# Altium PCB Einsy_Rambo.PcbDoc (part 1 of 5) (continued)
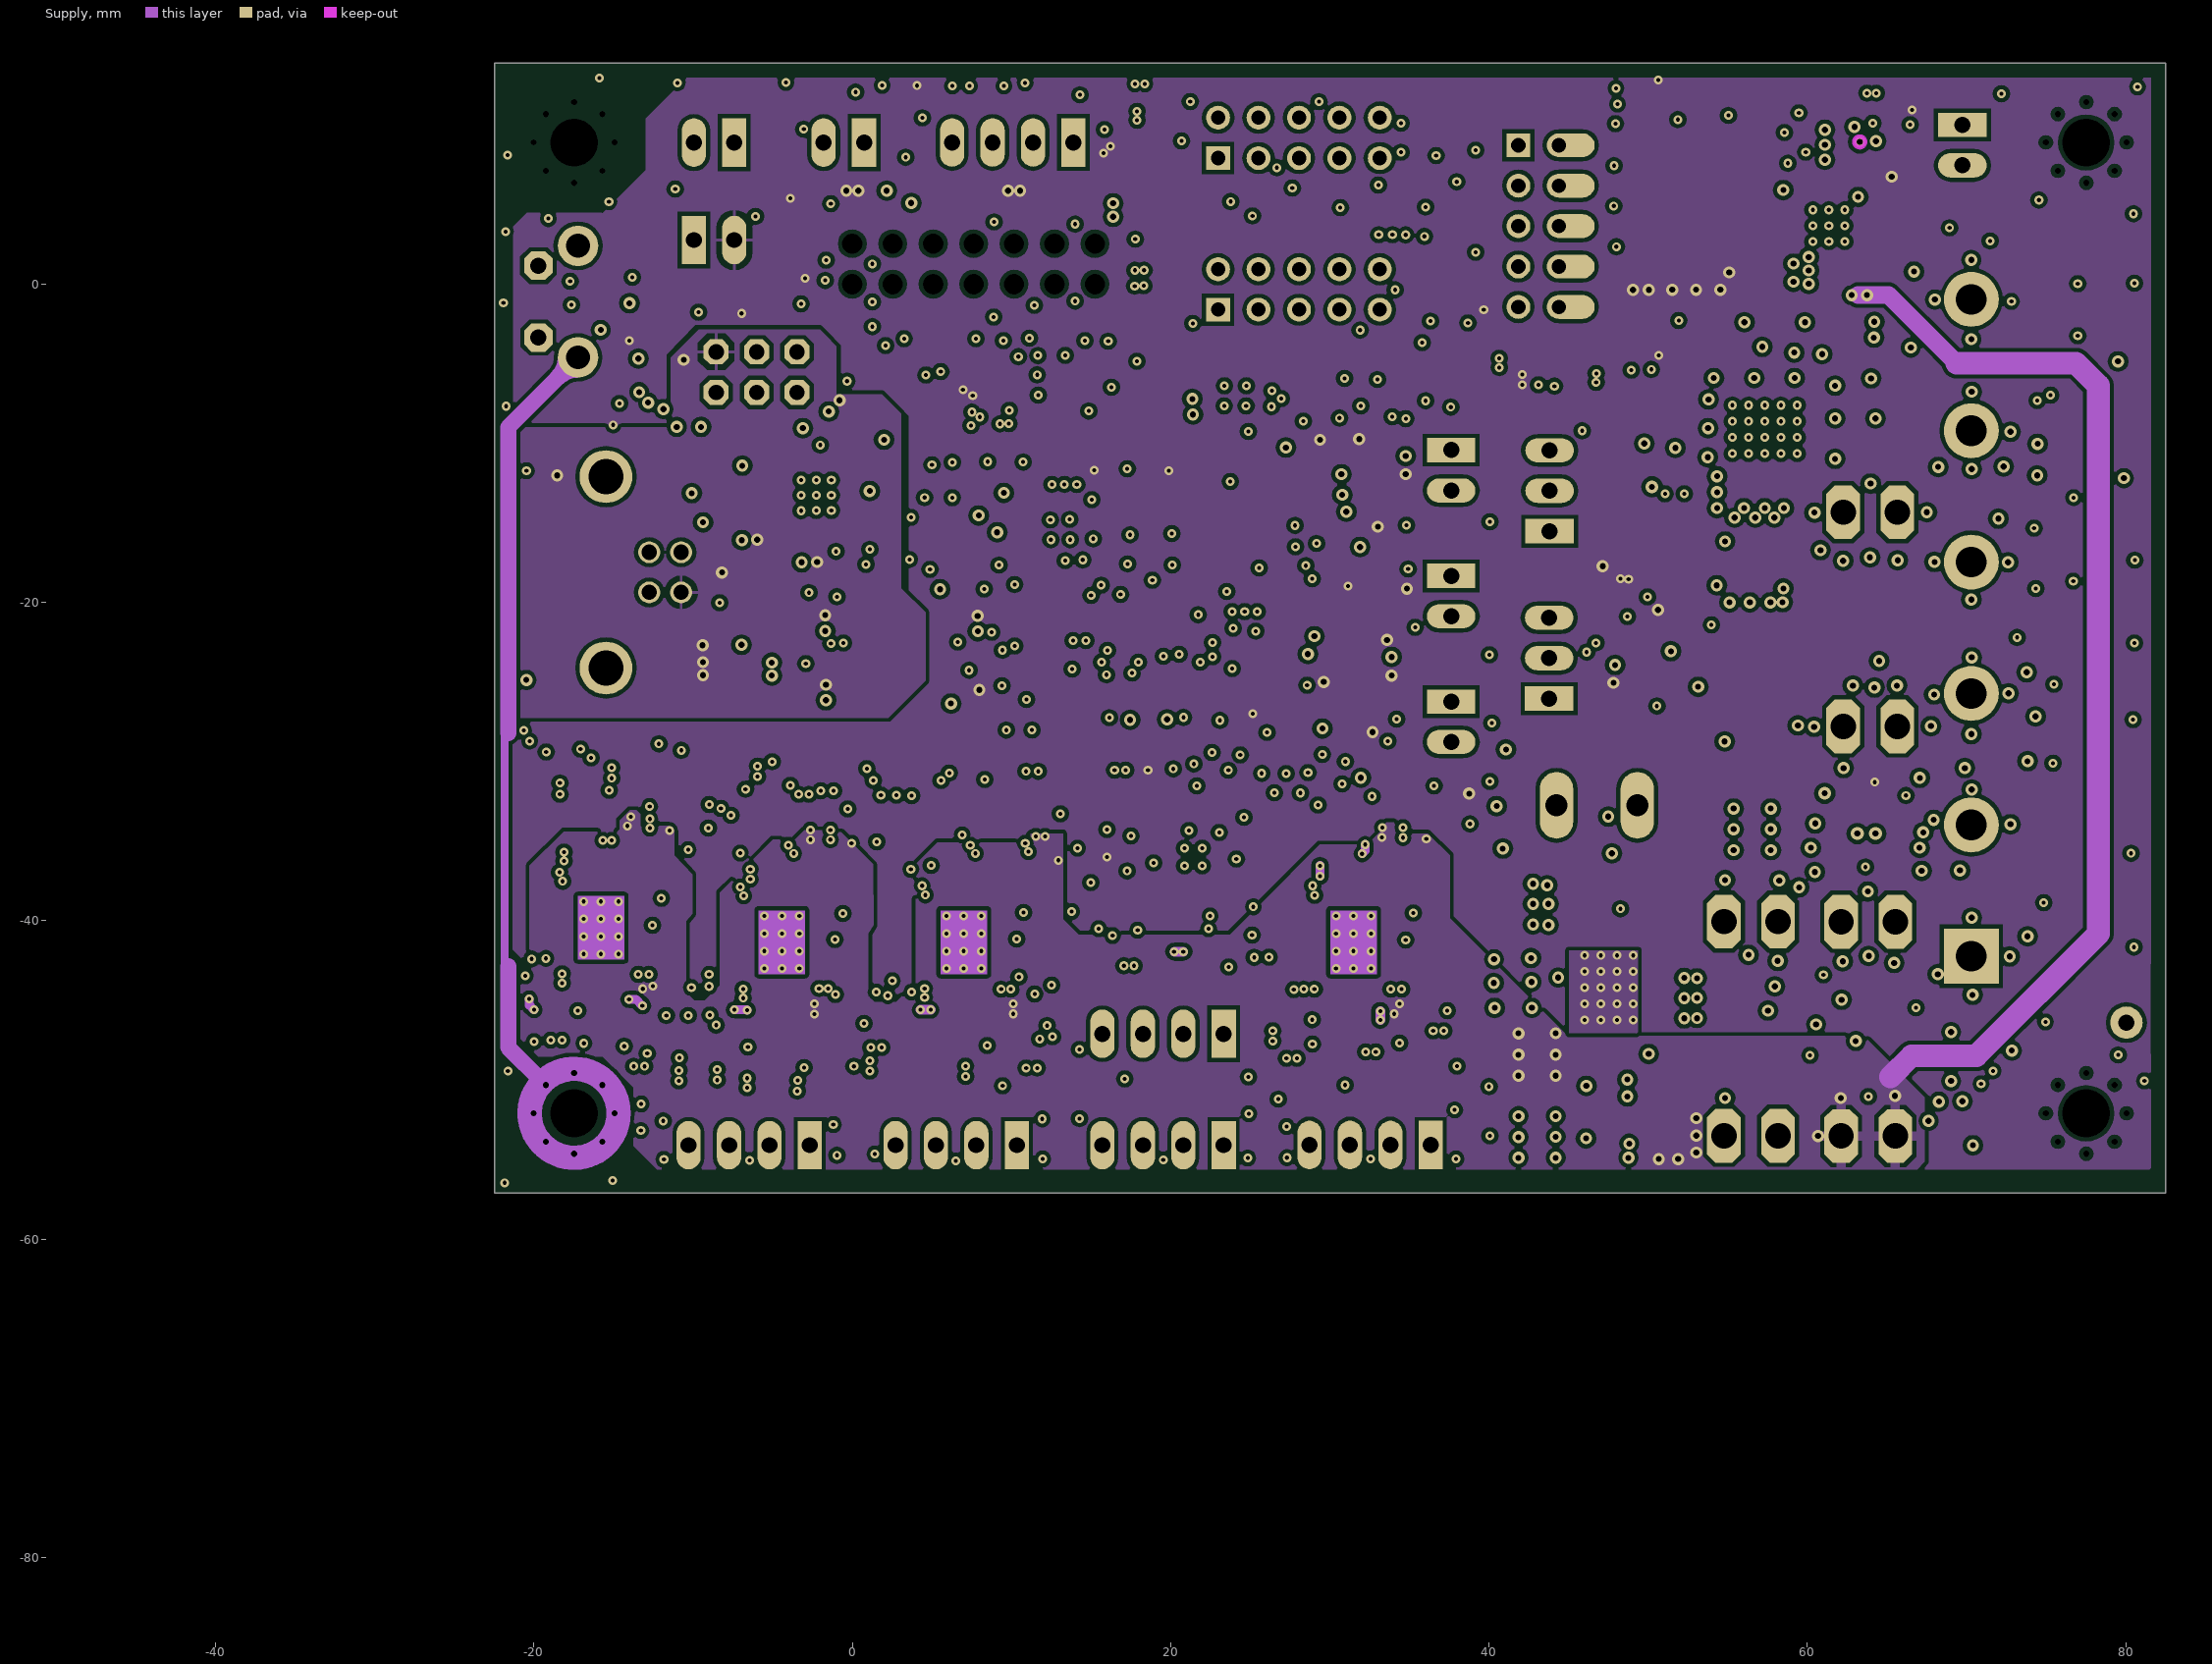
[diagram p4: Supply]
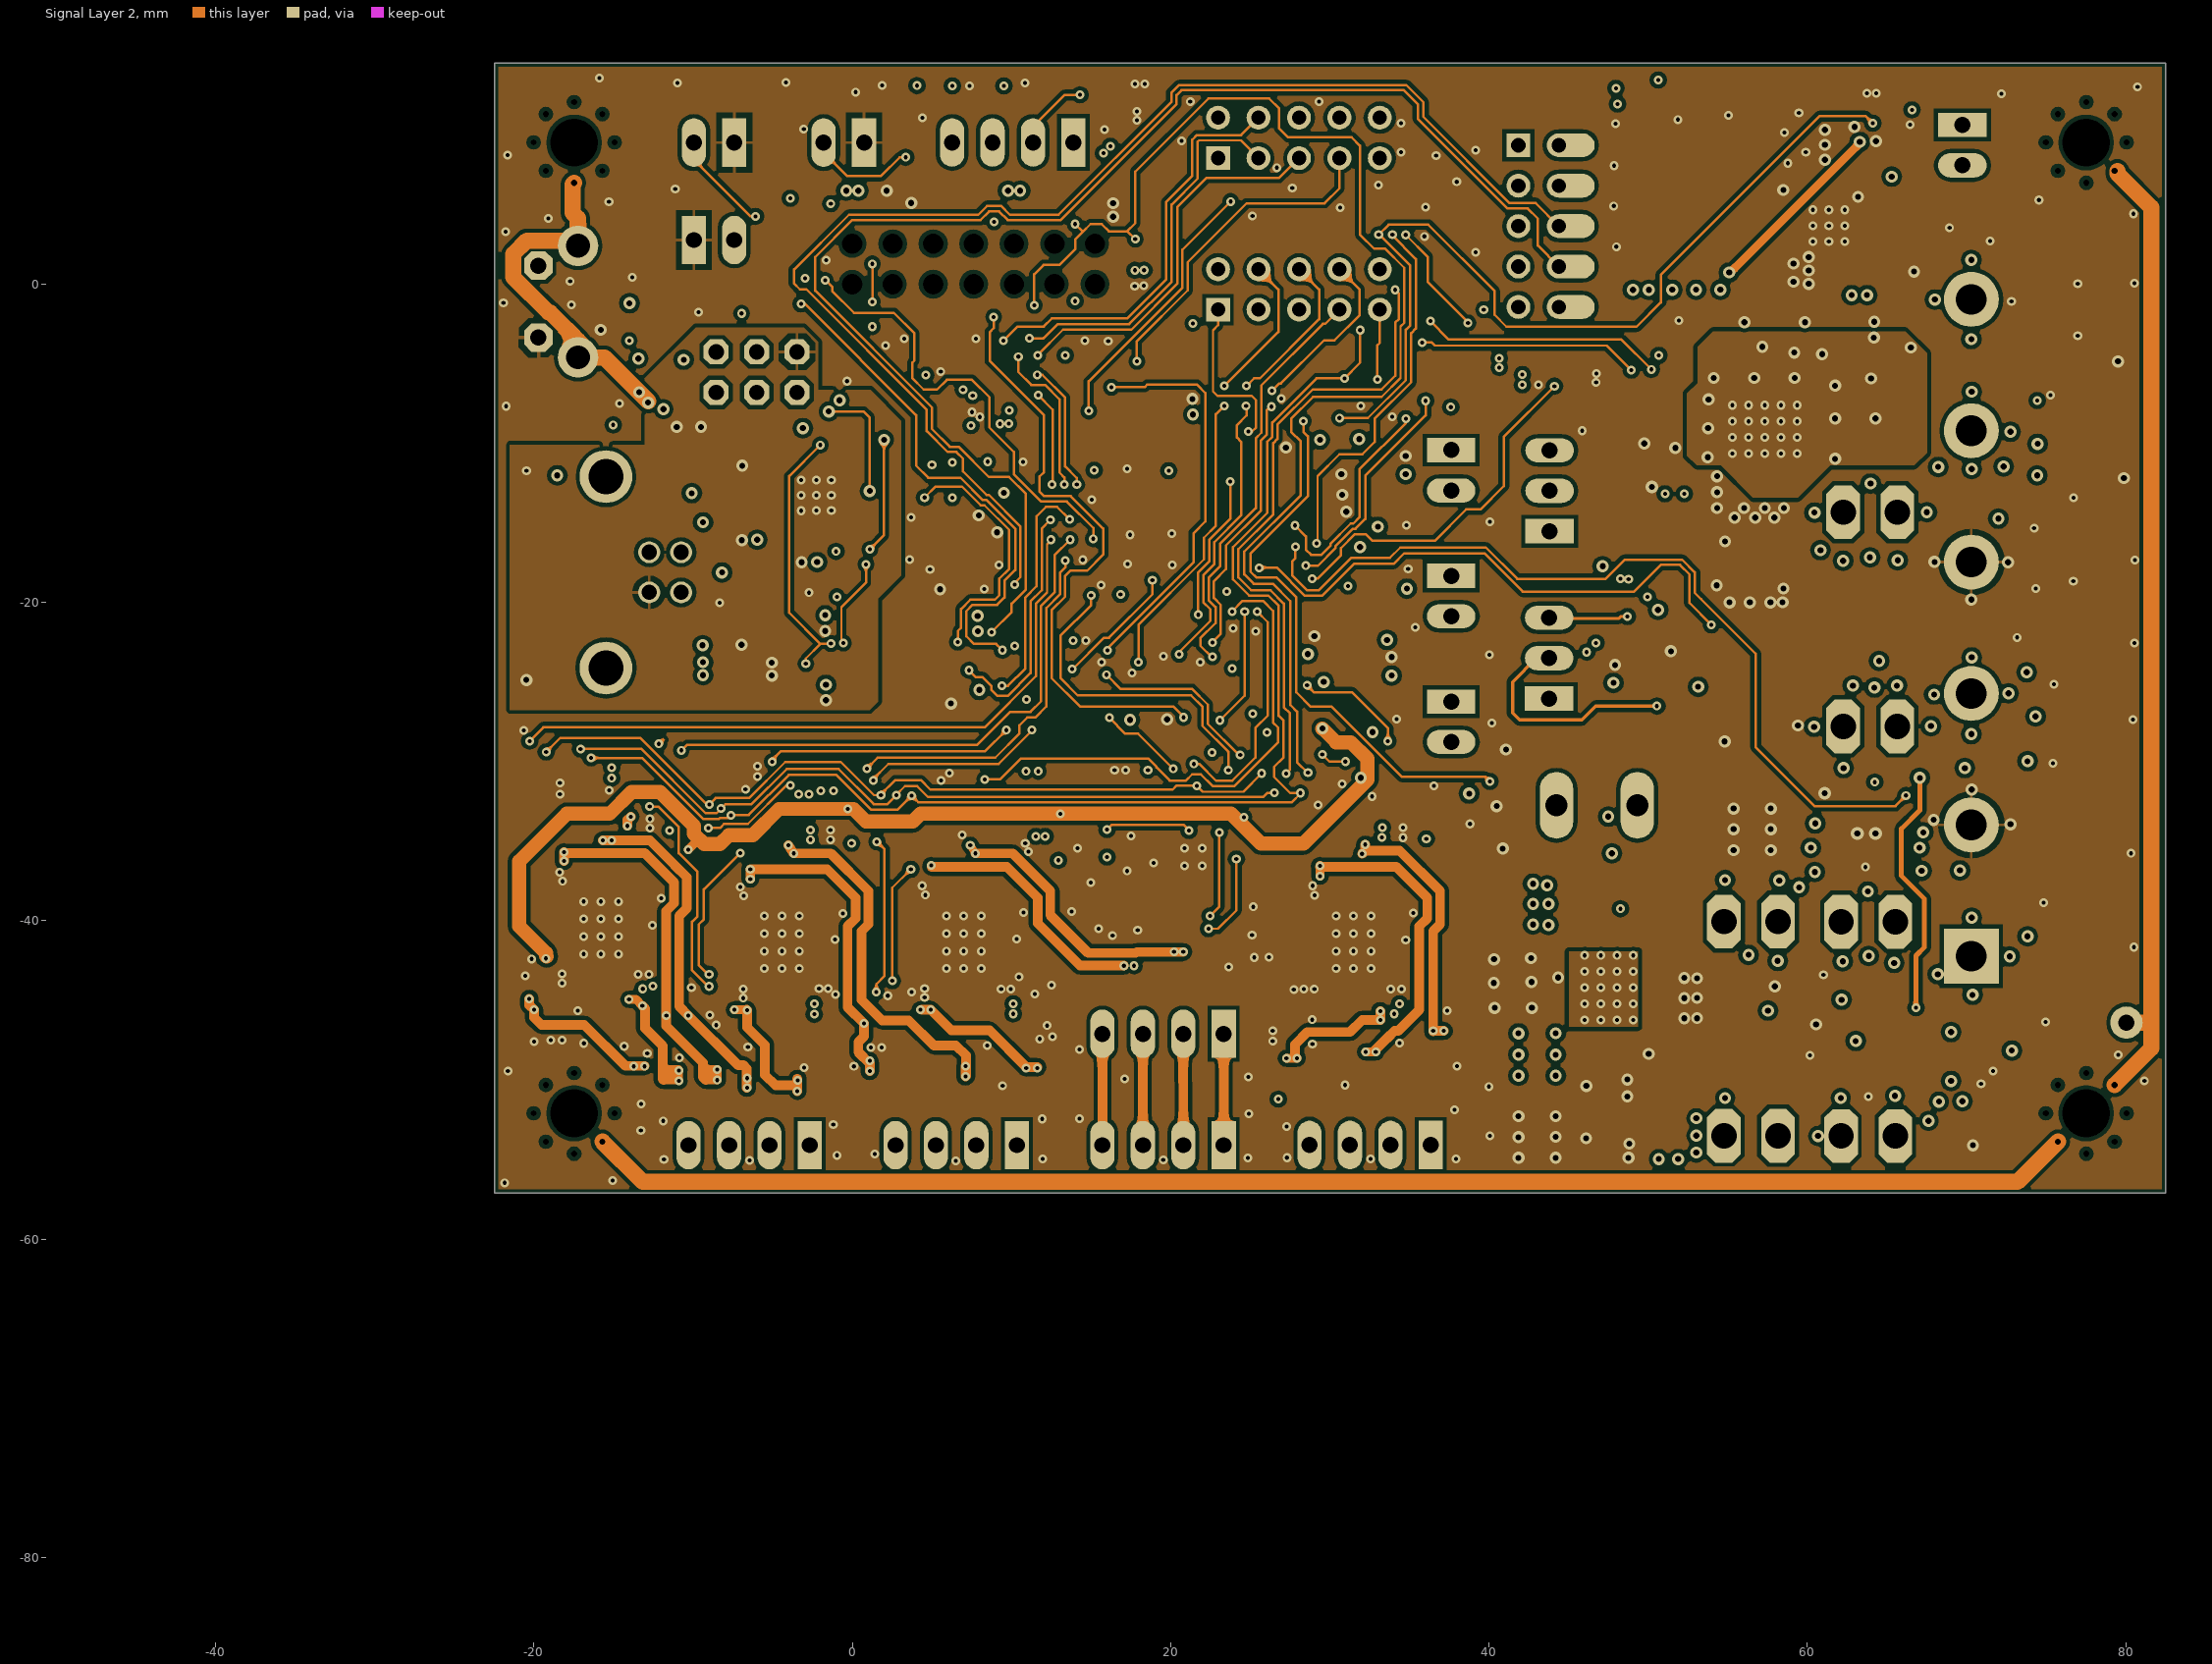
[diagram p5: Signal Layer 2]

## Layer stack, top to bottom
Top Solder: solder mask 0.012, Solder Resist, Dk 3.5
Top: signal copper 0.0711
Dielectric 1: prepreg 0.1098, FR-4, Dk 4.2
GND: plane copper 0.0305, net (Multiple Nets)
Dielectric 5: core 0.4005, Dk 4.2
Signal Layer 1: signal copper 0.0305
Dielectric 2: prepreg 0.2865, FR-4, Dk 4.2
Supply: signal copper 0.0305
Dielectric 3: core 0.4, FR-4, Dk 4.2
Signal Layer 2: signal copper 0.0305
Dielectric 4: prepreg 0.1098, Dk 4.2
Bottom: signal copper 0.0711
Bottom Solder: solder mask 0.012, Solder Resist, Dk 3.5

## Board outline
-22.479,-57.099 -22.479,13.901 82.521,13.901 82.521,-57.099

## Design rules (kind name [scope] priority, off if disabled: settings)
AcuteAngle [All] p1: minimum=6.00000000000000E+0001 checktracksonly=FALSE
Clearance "Internal Layer Polygon" [(OnLayer('Signal Layer 1') OR OnLayer('Supply') OR OnLayer('Signal Layer 2'))] p1: gap=0.254 ignorepadtopadclearanceinfootprint=FALSE except(0.178: Arc-Arc Arc-Track Arc-SMDPad Arc-THPad Arc-Via Track-Track Track-SMDPad Track-THPad Track-Via SMDPad-SMDPad SMDPad-THPad SMDPad-Via THPad-THPad THPad-Via Via-Via)
Clearance fiducial [InComponentClass('Fiducials')] p2: gap=0.178 ignorepadtopadclearanceinfootprint=FALSE except(0: Arc-Hole Track-Hole SMDPad-Hole THPad-Hole Via-Hole Fill-Hole Poly-Hole Region-Hole Text-Hole; 0.508: SMDPad-Poly)
Clearance "Polygon Clearance" [InPolygon] p3: gap=0.203 ignorepadtopadclearanceinfootprint=FALSE except(0.254: Fill-Fill Fill-Poly Fill-Region Poly-Poly Poly-Region Region-Region)
Clearance Clearance_1 [All] p4: gap=0.203 ignorepadtopadclearanceinfootprint=FALSE
ComponentClearance ComponentClearance_Connectors [InComponentClass('Connectors')] p1 off: gap=0.025 collisioncheckmode=3 verticalgap=0.254 showdistances=FALSE
ComponentClearance [All] p2 off: gap=0.254 collisioncheckmode=3 verticalgap=0.254 showdistances=FALSE
HoleSize [All] p1: absolutevalues=TRUE maxlimit=2540 minlimit=0.2 maxpercent=80.000 minpercent=20.000
HoleToHoleClearance [All] p1: gap=0.203 allowstackedmicrovias=TRUE
MinimumAnnularRing [All] p1: minimumring=0.152
MinimumSolderMaskSliver [All] p1: minsoldermaskwidth=0.102
PasteMaskExpansion [All] p1: expansion=-0.025
PlaneClearance [All] p1: clearance=0.254
PlaneConnect "PlaneConnect_No Connect" [(InComponent('J19')  and HasRoundHole)] p1: planeconnectstyle=NoConnect reliefexpansion=0.508 reliefentries=4 reliefconductorwidth=0.254 reliefairgap=0.254
PlaneConnect PowerPlaneConnect+12V [InNet('+12V')] p2: planeconnectstyle=Relief reliefexpansion=0.508 reliefentries=4 reliefconductorwidth=0.61 reliefairgap=0.254
PlaneConnect PlaneConnect_Via [IsVia] p3: planeconnectstyle=Direct reliefexpansion=0.508 reliefentries=4 reliefconductorwidth=0.254 reliefairgap=0.254
PlaneConnect PowerPlaneConnect [All] p4: planeconnectstyle=Relief reliefexpansion=0.305 reliefentries=4 reliefconductorwidth=0.203 reliefairgap=0.305
PlaneConnect [All] p5: planeconnectstyle=Relief reliefexpansion=0.508 reliefentries=4 reliefconductorwidth=0.508 reliefairgap=0.254
PolygonConnect ThermalVias [IsVia] p1: connectstyle=Direct reliefconductorwidth=0.254 reliefentries=4 polygonreliefangle="90 Angle" airgapwidth=0.254
PolygonConnect PolygonConnect_no_connect [(InNet('+12V2') and OnLayer('Top')  and InComponent('F2'))  Or (InComponent('J19')  and HasRoundHole)] p2: connectstyle=NoConnect reliefconductorwidth=0.61 reliefentries=4 polygonreliefangle="90 Angle" airgapwidth=0.254
PolygonConnect "Direct Connect" [(IsNamedPolygon('Direct Connect')) OR (IsNamedPolygon('Direct-Connect')) OR InComponent('R13')  Or InComponent('D9') Or InComponent('L1') Or InComponent('C45') Or InComponent('U3') Or InComponent('C35') Or InComponent('R24') Or InComponent('D2') Or InComponent('D7') Or InComponent('D8') Or InComponent('Q1') Or InComponent('Q5') Or InComponent('D6') Or InComponent('D10') Or InComponent('C40')     Or InComponent('D8')  Or InComponent('F5')  Or InComponent('FB1') Or InComponent('FB2')] p3: connectstyle=Direct reliefconductorwidth=0.254 reliefentries=4 polygonreliefangle="90 Angle" airgapwidth=0.254
PolygonConnect "PolygonConnect_24 mil" [InNet('NetD6_A') OR  InNet('+12V2') OR InComponent('C54')   OR InNet('VMOT')     OR (IsNamedPolygon('Direct Connect')) Or InNet('12V-IN')] p4: connectstyle=Relief reliefconductorwidth=0.61 reliefentries=4 polygonreliefangle="90 Angle" airgapwidth=0.254
PolygonConnect "PolygonConnect_Bot 50mil" [InNet('+12V3') Or InNet('NetF3_1') Or InComponent('X10') Or (IsNamedPolygon('Direct Connect')) vs OnLayer('Bottom')] p5: connectstyle=Relief reliefconductorwidth=1.27 reliefentries=4 polygonreliefangle="90 Angle" airgapwidth=0.254
PolygonConnect PolygonConnect_50mil [InNet('Netd10_a')  Or (IsNamedPolygon('Direct Connect'))] p6: connectstyle=Relief reliefconductorwidth=1.27 reliefentries=4 polygonreliefangle="90 Angle" airgapwidth=0.254
PolygonConnect "Internal GND" [OnMid] p7: connectstyle=Relief reliefconductorwidth=0.203 reliefentries=4 polygonreliefangle="90 Angle" airgapwidth=0.356
PolygonConnect [All] p8: connectstyle=Relief reliefconductorwidth=0.254 reliefentries=4 polygonreliefangle="90 Angle" airgapwidth=0.254
RoutingVias [All] p1: holewidth=0.381 width=0.762 viastyle="Through Hole" minholewidth=0.254 minwidth=0.559 maxholewidth=0.381 maxwidth=0.813
SMDToCorner [All] p1: distance=30000
ShortCircuit bot_entry_header [InPadClass('NPTH_bot') vs InPadClass('top_smt_bot')] p1: allowed=TRUE
ShortCircuit [All] p2: allowed=FALSE
SilkToSilkClearance [All] p1 off: silktosilkclearance=0.254
SilkToSolderMaskClearance [IsPad] p1 off: minsilkscreentomaskgap=0.254 clearancetoexposedcopper=TRUE
SolderMaskExpansion SolderMaskExpansion_Via [IsVia] p1: expansion=-0.381
SolderMaskExpansion [All] p2: expansion=0.051
Width [All] p1: maxlimit=25.4 minlimit=0.152 preferedwidth=0.61 toplayer_prefwidth=0.203 midlayer2_prefwidth=0.254 midlayer3_prefwidth=0.254 bottomlayer_prefwidth=0.203 minimp=50.000000 maximp=50.000000 favimp=50.000000
20 further rules are at their usual default settings.

## Classes and differential pairs
component class Fiducials: FID1 FID2 FID3
component class Power-SMPS: C17 C25 C27 C30 C35 C40 C45 C49 C60 C62 C79 C86 C87 C88 C89 C93 C103 C121 D7 D8 D9 F2 F3 FB2 FB4 H1 H2 H3 H4 J1 J7 JP2 L1 R3 R11 R13 R23 R24 R53 R55 R59 R66 TP8 TP32 TP66 TP67 TP68 TP69 U3

## Components (designator, comment, footprint, x,y, rotation, side; value= is the part's Value field where it differs from the comment)
C1 "22pF" C0402#1 -15.043,-2.394 r270 top
C2 "10uF" C0805 -7.22,-24.187 r180 top
C3 "100nF" C0603 68.955,-54.108 r0 top
C4 "100nF" C0402#1 30.575,-15.932 r0 top
C5 "UWT1V101MCL1GS" CAP-ELEC-063063077 13.142,-31.579 r180 top locked value=100uF
C6 "100nF" C0402#2 29.521,-13.249 r0 top
C7 "100nF" C0402#1 18.625,-27.35 r0 top
C8 "100nF" C0402#1 28.213,-22.148 r90 top
C9 "100nF" C0402#1 9.519,-14.36 r270 top
C10 "100nF" C0402#1 5.26,-13.14 r90 top
C11 "100nF" C0402#1 -8.236,-22.663 r0 top
C12 "22pF" C0402#1 -3.156,-18.421 r0 top
C13 "22pF" C0402#1 -7.525,-20.504 r90 top
C14 "100nF" C0402#1 -2.682,-16.776 r180 top
C15 "100nF" C0402#1 -6.458,-15.323 r180 top
C16 "1uF" C0402#1 -6.458,-12.173 r180 top
C17 "100nF" C0402#1 39.999,-32.01 r0 top
C18 "UWT1V101MCL1GS" CAP-ELEC-063063077 43.021,-51.01 r90 top locked value=100uF
C19 "100nF" C0402#1 25.66,-27.405 r270 top
C23 "100nF" C0603 11.525,-45.726 r180 top
C24 "UWT1V101MCL1GS" CAP-ELEC-063063077 -10.573,-30.766 r180 top locked value=100uF
C25 "100nF" C0603 57.118,-1.048 r0 top
C26 "100nF" C0402#2 29.508,-11.944 r0 top
C27 "UWT1V101MCL1GS" CAP-ELEC-063063077 56.534,-31.655 r90 top locked value=100uF
C28 "100nF" C0603 0.171,-36.481 r90 top
C29 "22nF" C0402#1 0.003,-38.36 r0 top
C30 "4.7uF" C1206 62.376,0.679 r180 top
C31 "100nF" C0603 35.909,-45.904 r180 top
C32 "100nF" C0603 9.315,-35.668 r180 top
C33 "100nF" C0603 12.262,-37.116 r0 top
C34 "22nF" C0402#1 11.601,-38.335 r0 top
C35 "1uF" C0805 65.678,1.06 r270 top
C36 "100nF" C0603 33.776,-35.643 r180 top
C37 "100nF" C0603 36.087,-36.379 r90 top
C38 "22nF" C0402#1 35.935,-38.335 r0 top
C39 "100nF" C0402#1 35.884,-39.986 r270 top
C40 "100nF" C0603 56.229,2.965 r90 top
C41 "100nF" C0402#1 27.883,-43.212 r90 top
C42 "100nF" C0402#2 51.632,-23.908 r180 top
C43 "100nF" C0402#1 49.854,-1.899 r270 top
C44 "100nF" C0402#1 17.191,10.138 r90 top
C45 "10uF" C0805 57.118,0.705 r0 top
C46 "100nF" C0402#1 42.6,-7.22 r180 top
C49 "4.7nF" C0402#1 63.722,6.191 r180 top
C50 "100nF" C0402#1 11.373,-39.986 r270 top
C51 "100nF" C0402#1 -0.057,-40.011 r270 top
C52 "100nF" C0402#1 20.67,-8.03 r90 top
C53 "100nF" C0402#1 -8.058,-43.44 r90 top
C54 "100nF" C0402#1 -2.013,-36.862 r180 top
C55 "100nF" C0402#1 9.442,-36.862 r180 top
C56 "100nF" C0402#2 33.12,-16.95 r180 top
C57 "22pF" C0402#1 6.9,-19.229 r180 top
C58 "22pF" C0402#1 5.048,-16.77 r270 top
C59 "100nF" C0402#2 29.921,-14.299 r0 top
C60 "100nF" C0603 51.479,-48.368 r180 top
C61 "1uF" C0402#1 0.019,-41.662 r180 top
C62 "100nF" C0603 58.718,-26.702 r0 top
C63 "4.7nF" C0402#1 -11.042,-10.217 r90 top
C64 "100nF" C0402#1 3.397,-43.161 r90 top
C65 "1nF" C0603 8.731,-49.435 r0 top
C66 "1nF" C0603 0.051,-47.803 r270 top
C67 "100nF" C0402#1 -0.904,-25.674 r90 top
C68 "100nF" C0402#1 7.171,-25.601 r90 top
C69 "100nF" C0402#1 7.146,-21.339 r270 top
C70 "100nF" C0402#1 -0.929,-21.299 r270 top
C71 "100nF" C0603 -3.715,-33.687 r270 top
C72 "1uF" C0402#1 11.678,-41.612 r180 top
C73 "100nF" C0402#1 33.903,-36.836 r180 top
C74 "100nF" C0402#1 -6.458,-16.948 r180 top
C75 "1nF" C0603 22.955,-41.942 r0 top
C76 "1uF" C0402#1 35.96,-41.713 r180 top
C77 "100nF" C0402#3 -2.642,2.184 r180 top
C78 "1nF" C0603 38.221,-47.606 r270 top
C79 "100nF" C0402#1 56.3,-17.05 r180 top
C80 "1nF" C0603 35.376,-47.956 r90 top
C81 "4.7nF" C0402#3 8.96,-8.324 r180 top
C82 "100nF" C0603 32.252,-33.661 r270 top
C83 "100nF" C0402#3 27.972,-9.709 r180 top
C84 "100nF" C0603 70.91,-48.774 r270 top
C85 "100nF" C0603 70.91,-51.772 r90 top
C86 "100nF" C0603 65.068,-33.433 r180 top
C87 "100nF" C0603 62.351,-33.433 r0 top
C88 "100nF" C0603 62.541,-31.972 r180 top
C89 "100nF" C0603 54.807,-27.134 r270 top
C90 "100nF" C0603 -11.233,-35.617 r90 top
C91 "22nF" C0402#1 -11.36,-37.446 r0 top
C92 "100nF" C0402#1 -13.595,-36.201 r180 top
C93 "0603" C0603 27.575,-28.3 r0 top value="10uF 6.3VDC"
C94 "100nF" C0402#1 -19.687,-41.783 r0 top
C95 "100nF" C0402#1 -11.386,-39.072 r270 top
C96 "1uF" C0402#1 -11.436,-40.697 r180 top
C97 "1nF" C0603 -9.747,-47.276 r270 top
C98 "1nF" C0603 -11.22,-47.27 r270 top
C99 "100nF" C0603 -15.399,-33.204 r270 top
C100 "1nF" C0603 -12.681,-46.92 r270 top
C101 "1nF" C0603 -19.579,-44.1 r90 top
C102 "100nF" C0603 -14.129,-46.565 r90 top
C103 "UWT1V101MCL1GS" CAP-ELEC-063063077 41.523,-41.561 r90 top locked value=100uF
C104 "100nF" C0603 -11.487,-44.939 r180 top
C105 "100nF" C0603 -13.418,-35.033 r180 top
C106 "1nF" C0603 -2.692,-47.803 r270 top
C107 "1nF" C0603 -8.865,-45.187 r180 top
C108 "100nF" C0603 -4.782,-48.978 r0 top
C109 "UWT1V101MCL1GS" CAP-ELEC-063063077 0.898,-30.861 r180 top locked value=100uF
C110 "100nF" C0603 -0.972,-45.752 r180 top
C111 "100nF" C0603 -2.089,-35.668 r180 top
C112 "1nF" C0603 17.025,-41.825 r180 top
C113 "100nF" C0603 5.81,-35.49 r180 top
C114 "1nF" C0603 10.484,-47.403 r0 top
C115 "1nF" C0603 2.584,-45.549 r180 top
C116 "100nF" C0603 7.544,-47.396 r90 top
C117 "1nF" C0603 30.321,-49.308 r0 top
C118 "1nF" C0603 25.927,-43.313 r180 top
C119 "100nF" C0603 32.76,-47.225 r180 top
C120 "100nF" C0402#1 -8.414,-1.746 r0 top
C121 "100nF" C0402#2 53.594,-15.469 r0 top
C122 "100nF" C0402#1 2.959,12.452 r0 top
C123 "100nF" C0402#3 48.235,-15.748 r180 top
C124 "100nF" C0402#1 47.65,-20.74 r90 top
C125 "100nF" C0402#1 6.875,-7.66 r90 top
C126 "1uF" C0402#1 15.875,-39.5 r90 top
C127 "1uF" C0402#1 16.9,-39.5 r90 top
C128 "1uF" C0402#1 15.825,-38 r0 top
C129 "100nF" C0402#1 18.775,-31.35 r0 top
C130 "100nF" C0402#1 17.925,-39.5 r90 top
C131 "100nF" C0402#1 23.125,-38.725 r0 top
D1 "BAT54" SOD523_IPC 33.217,-11.97 r180 top
D2 "SMAJ28A" SMA-SM#1 49.519,-53.452 r180 top
D3 "1N4148WT" SOD523 -12.935,-2.445 r90 top
D4 "1N4148WT" SOD523 -10.568,-6.455 r270 top
D5 "BAT54" SOD523_IPC 33.217,-10.801 r0 top
D6 "SK310A-TP" SMA-SM#2 50.921,-27.159 r180 top value=SK310A
D7 "S3A-13-F" DO-214AB 56.39,-21.744 r90 top locked
D8 "SMAJ28A" SMA-SM#1 49.542,-50.408 r180 top
D9 "SK310A-TP" SMA-SM#2 52.089,8.452 r0 top value=SK310A
D10 "SK310A-TP" SMA-SM#2 66.243,-4.039 r90 top value=SK310A
D11 "BAT54" SOD523_IPC 33.268,-19.107 r180 top
D12 "BAT54" SOD523_IPC 33.268,-17.939 r0 top
D13 "BAT54" SOD523_IPC 32.265,-24.594 r180 top
D14 "BAT54" SOD523_IPC 32.252,-23.425 r0 top
D15 "BAT54" SOD523_IPC 51.892,-3.581 r180 top
D16 "RSB39VTE-17" SOD323-R -12.829,-9.474 r270 top value=30V
D33 "BAT54" SOD523_IPC 49.473,-25.051 r0 top
D34 "BAT54" SOD523_IPC 49.473,-23.882 r180 top
D35 "BAT54" SOD523_IPC 51.892,-2.337 r0 top
D36 "BAT54" SOD523_IPC -3.302,-0.381 r180 top
D37 "BAT54" SOD523_IPC -2.997,1.118 r0 top
F1 "3557-2" 3557 63.824,-46.793 r270 top value=Fuse
F2 "3557-2" 3557 56.457,-46.783 r270 top locked value=Fuse
F3 "3557-2" 3557 63.951,-21.063 r90 top locked value=Fuse
FB1 "BLM41PG600SN1L" L1806 69.031,-50.527 r270 top value=60R
FB2 "BLM41PG600SN1L" L1806 63.671,-35.414 r180 top value=60R
FB3 "120R" FB0603 30.651,-10.827 r180 top value=120Rfb
FB4 "120R" FB0603 29.559,-26.448 r270 top value=120Rfb
FB5 "120R" FB0603 -6.661,-18.117 r0 top value=120Rfb
FB6 "120R" FB0603 -7.544,-49.738 r270 top value=120Rfb
FB7 "120R" FB0603 -9.957,-49.733 r270 top value=120Rfb
FB8 "120R" FB0603 -12.065,-49.733 r270 top value=120Rfb
FB9 "120R" FB0603 5.588,-49.124 r180 top value=120Rfb
FB10 "120R" FB0603 2.591,-49.124 r0 top value=120Rfb
FB11 "120R" FB0603 -1.321,-47.625 r270 top value=120Rfb
FB12 "120R" FB0603 -2.007,-50.368 r0 top value=120Rfb
FB13 "120R" FB0603 21.838,-43.44 r0 top value=120Rfb
FB14 "120R" FB0603 19.069,-43.44 r0 top value=120Rfb
FB15 "120R" FB0603 15.589,-43.44 r0 top value=120Rfb
FB16 "120R" FB0603 11.557,-50.241 r0 top value=120Rfb
FB17 "120R" FB0603 36.798,-48.343 r270 top value=120Rfb
FB18 "120R" FB0603 32.887,-49.409 r0 top value=120Rfb
FB19 "120R" FB0603 28.137,-49.892 r270 top value=120Rfb
FB20 "120R" FB0603 27.222,-45.523 r180 top value=120Rfb
FB21 "120R" FB0603 8.909,-7.308 r0 top value=120Rfb
FB22 "120R" FB0603 -4.953,-50.343 r0 top value=120Rfb
FB23 "120R" FB0603 48.25,-19.3 r180 top value=120Rfb
FB24 "120R" R0402 34.73,-5.49 r0 top value=120Rfb
FB25 "120R" R0402 16.825,-8.45 r270 top value=120Rfb
FB26 "120R" R0402 36.74,-6.78 r0 top value=120Rfb
FB27 "120R" R0402 16.975,-5.675 r225 top value=120Rfb
FB28 "120R" R0402 30.702,-18.167 r0 top value=120Rfb
FB29 "120R" R0402 10.25,-5.96 r0 top value=120Rfb
FB30 "120R" R0402 8.198,-6.001 r180 top value=120Rfb
FB31 "120R" R0402 9.35,-4.775 r0 top value=120Rfb
FB32 "120R" R0402 6.096,-3.937 r0 top value=120Rfb
FB33 "120R" R0402 25.622,-7.22 r90 top value=120Rfb
FB34 "120R" R0402 27.959,-26.016 r180 top value=120Rfb
FB35 "120R" R0402 24.174,-7.22 r90 top value=120Rfb
FB36 "120R" R0402 22.701,-7.245 r90 top value=120Rfb